# Altium PCB radxa_cm3i_io_board_v1.4.PcbDoc (part 4 of 9)
Units mil, origin at the board's own origin, x right, y up, seen from the top; angles counter-clockwise.
Board outline 7886.22 x 5511.42 mil, 4 copper layers (Top, GND, Power, Bottom), stack 35.4 mil thick; 724 components, 544 nets, 2607 pads, 3449 vias.
Unrouted connection lines stored in the file: 2847.
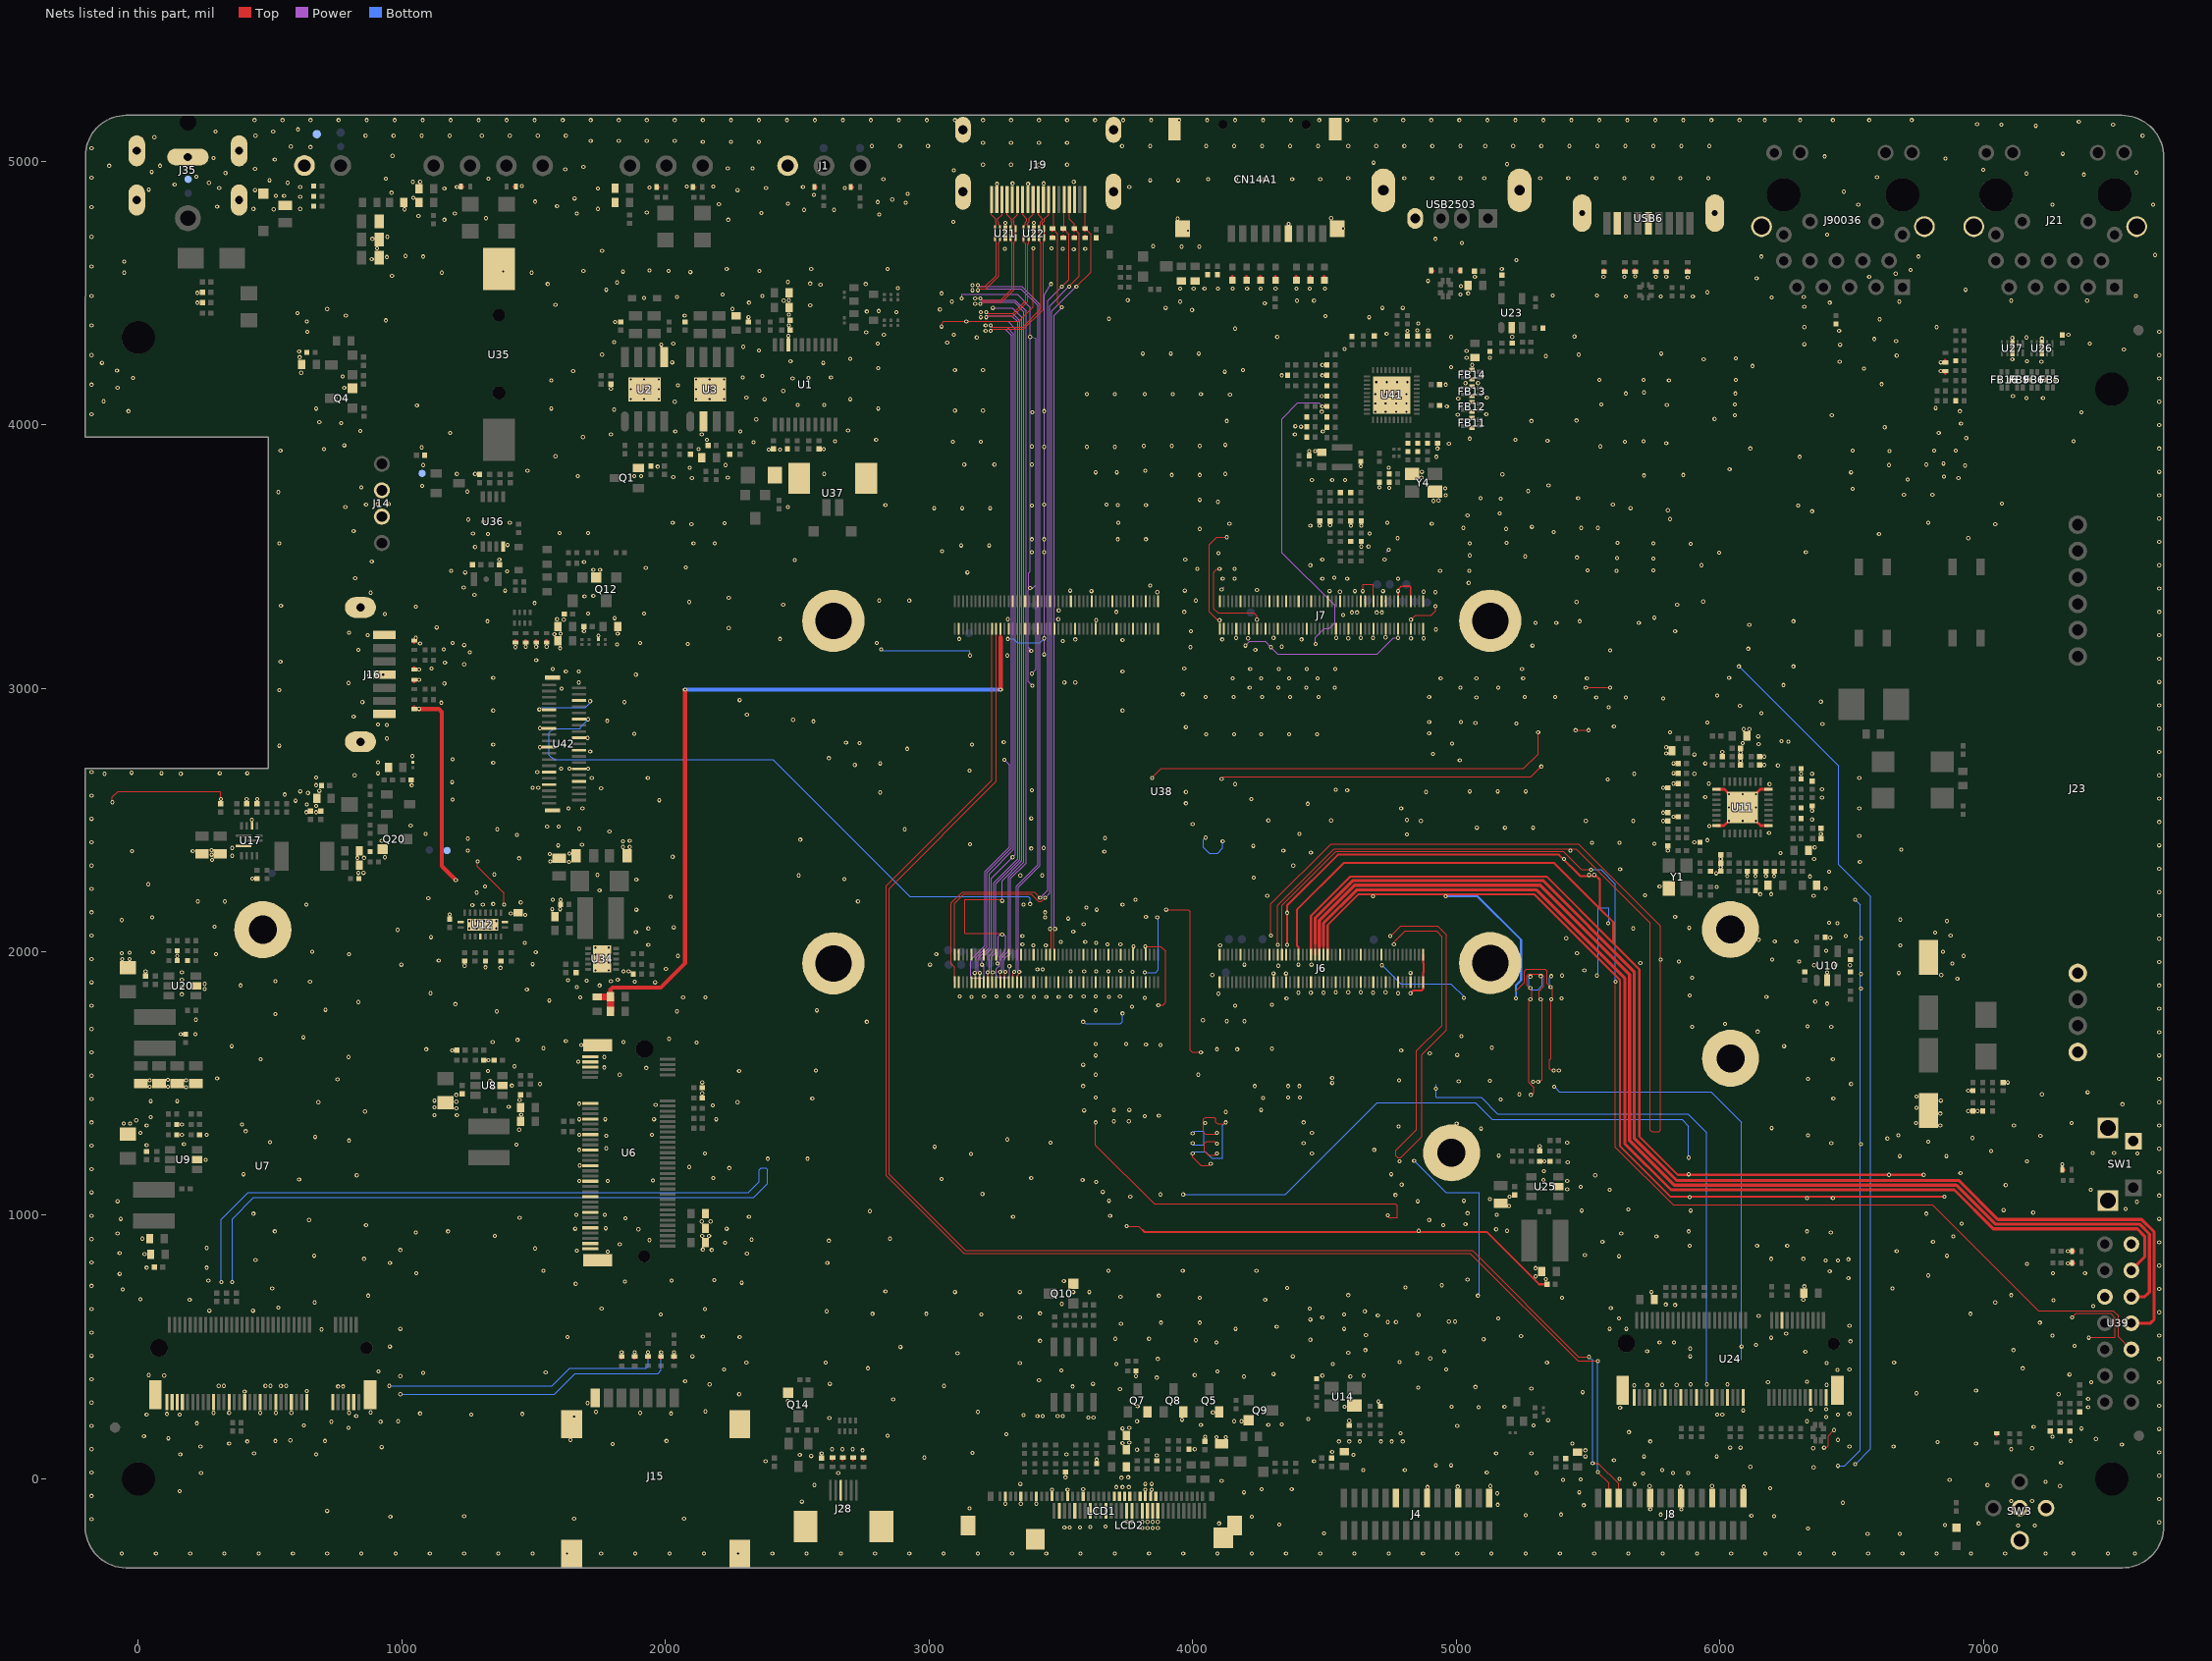
[diagram p6: the nets of this part, all layers, seen from the top]

## Via types
v1: diameter 15.75, hole 7.87, Top to Bottom, 3415 vias
v2: diameter 19.68, hole 11.81, Top to Bottom, 34 vias

## Nets (pads, with @x,y where several pads share a name; then routed paths per layer and width w, separated by ;. In a path a pad name is that pad's centre, name@x,y a point inside that pad or via, vN(x,y) a via of type N, cw(c..) or ccw(c..) an arc to the next point about the centre after c; other vN are vias at no path point) (continued)
GND: (continued)
  other v1: -62.99,-283.46 66.93,-283.46 196.85,-283.46 326.77,-283.46 456.69,-283.46 586.61,-283.46 716.54,-283.46 846.46,-283.46 976.38,-283.46 1106.3,-283.46 1236.22,-283.46 1366.14,-283.46 1496.06,-283.46 1625.98,-283.46 1755.91,-283.46 1885.83,-283.46 2015.75,-283.46 2145.67,-283.46 2275.59,-283.46 2405.51,-283.46 2535.43,-283.46 2665.35,-283.46 2795.28,-283.46 2925.2,-283.46 3055.12,-283.46 3185.04,-283.46 3314.96,-283.46 3444.88,-283.46 3574.8,-283.46 3704.72,-283.46 3834.65,-283.46 3964.57,-283.46 4094.49,-283.46 4224.41,-283.46 4354.33,-283.46 4484.25,-283.46 4614.17,-283.46 4744.09,-283.46 4874.02,-283.46 5003.94,-283.46 5133.86,-283.46 5263.78,-283.46 5393.7,-283.46 5523.62,-283.46 5653.54,-283.46 5783.46,-283.46 5913.39,-283.46 6043.31,-283.46 6173.23,-283.46 6303.15,-283.46 6433.07,-283.46 6562.99,-283.46 6692.91,-283.46 6822.83,-283.46 6952.76,-283.46 7082.68,-283.46 7236.22,-283.46 7342.52,-283.46 7472.44,-283.46 7574.8,-283.46 6561.02,-208.66 6683.07,-208.66 4498.03,-206.69 6334.65,-188.98 3809.06,-187.01 3828.74,-187.01 3848.43,-187.01 3868.11,-187.01 3513.78,-185.04 3533.46,-185.04 3572.83,-185.04 3612.2,-183.07 3669.29,-181.1 7131.89,-177.17 7194.88,-177.17 6854.33,-175.2 4328.74,-173.23 4100.39,-169.29 6982.28,-169.29 7667.32,-165.35 3750,-163.39 3769.69,-163.39 3809.06,-163.39 3828.74,-163.39 3848.43,-163.39 3868.11,-163.39 -177.17,-153.54 1653.54,-151.57 2070.87,-151.57 956.69,-143.7 4224.41,-143.7 1236.22,-141.73 6206.69,-141.73 6120.08,-139.76 5263.78,-137.8 5397.64,-135.83 5775.59,-135.83 5814.96,-135.83 716.54,-122.05 5736.22,-116.14 5854.33,-116.14 3153.54,-112.2 2675.2,-106.3 5484.25,-100.39 5157.48,-98.43 3289.37,-94.49 3348.43,-94.49 3407.48,-94.49 6466.54,-90.55 2517.72,-86.61 7106.3,-84.65 7185.04,-84.65 7667.32,-76.77 -177.17,-64.96 5155.51,-55.12 4194.88,-51.18 5466.54,-51.18 157.48,-47.24 3466.54,-41.34 3525.59,-41.34 3820.87,-41.34 3844.49,-41.34 3584.65,-39.37 4261.81,-39.37 4375.98,-39.37 6190.94,-35.43 3710.63,-31.5 3734.25,-31.5 3757.87,-31.5 4891.73,-31.5 5005.91,-29.53 5852.36,-29.53 6090.55,-29.53 5129.92,-27.56 5734.25,-27.56 5970.47,-27.56 7291.34,-27.56 2564.96,-23.62 7015.75,-23.62 3346.46,-19.69 3820.87,-19.69 3844.49,-19.69 5677.17,-19.69 7236.22,-11.81 4110.24,-7.87 5405.51,-3.94 6872.05,-3.94 5472.44,-1.97 5620.08,0 3730.32,3.94 3517.72,5.91 3755.91,5.91 7667.32,11.81 5708.66,19.69 238.19,21.65 2655.51,21.65 5305.12,21.65 5822.83,21.65 5879.92,21.65 -177.17,23.62 5116.14,23.62 4647.64,33.46 4805.12,33.46 5781.5,33.46 6356.3,43.31 6116.14,45.28 4923.23,51.18 4980.32,51.18 7295.28,61.02 2379.92,66.93 4460.63,66.93 5598.43,70.87 3635.83,72.83 2982.28,80.71 5490.16,84.65 5712.6,84.65 5988.19,84.65 2553.15,86.61 3864.17,88.58 2509.84,90.55 4610.24,90.55 159.45,92.52 675.2,92.52 3521.65,92.52 438.98,96.46 2592.52,96.46 5151.57,96.46 5285.43,96.46 3165.35,98.43 7667.32,100.39 4529.53,102.36 2748.03,108.27 5490.16,108.27 3789.37,110.24 -177.17,112.2 2631.89,112.2 2671.26,112.2 2710.63,112.2 4007.87,112.2 7106.3,112.2 6354.33,116.14 7185.04,116.14 6039.37,118.11 6078.74,118.11 923.23,120.08 236.22,122.05 6492.13,122.05 6659.45,122.05 7525.59,129.92 1799.21,131.89 344.49,133.86 5440.94,133.86 6972.44,133.86 3734.25,135.83 3759.84,137.8 6826.77,139.76 413.39,141.73 4555.12,141.73 4594.49,141.73 4633.86,141.73 4714.57,141.73 4755.91,141.73 4797.24,141.73 5736.22,141.73 519.69,143.7 708.66,143.7 2003.94,143.7 7330.71,143.7 576.77,145.67 1639.76,147.64 6448.82,147.64 7427.17,151.57 114.17,153.54 4090.55,157.48 4125.98,157.48 4047.24,159.45 7261.81,159.45 21.65,161.42 2842.52,163.39 3293.31,169.29 4789.37,173.23 5655.51,177.17 7667.32,188.98 3734.25,190.94 7372.05,190.94 797.24,192.91 3759.84,192.91 7190.94,196.85 -177.17,200.79 5003.94,200.79 627.95,202.76 5293.31,202.76 4031.5,204.72 4287.4,204.72 4338.58,206.69 222.44,210.63 732.28,216.54 919.29,216.54 986.22,218.5 3789.37,218.5 4157.48,218.5 4185.04,218.5 6330.71,218.5 4594.49,220.47 5348.43,222.44 3960.63,224.41 4438.98,226.38 2622.05,230.31 3604.33,232.28 3624.02,232.28 6403.54,234.25 1653.54,236.22 826.77,238.19 3411.42,238.19 3431.1,238.19 3488.19,238.19 3507.87,238.19 3358.27,242.13 31.5,244.09 157.48,244.09 1263.78,244.09 5990.16,244.09 6009.84,244.09 6448.82,244.09 108.27,246.06 1456.69,246.06 6492.13,246.06 1068.9,248.03 2021.65,248.03 285.43,250 344.49,250 462.6,250 521.65,250 580.71,250 799.21,250 1903.54,250 881.89,251.97 4076.77,251.97 1736.22,253.94 3185.04,253.94 2151.57,255.91 6088.58,259.84 6346.46,261.81 6403.54,263.78 5622.05,269.69 5084.65,271.65 7397.64,271.65 4576.77,273.62 4982.28,273.62 5183.07,273.62 3791.34,275.59 7667.32,277.56 1704.72,287.4 -177.17,289.37 4704.72,293.31 2464.57,295.28 2864.17,301.18 7397.64,303.15 2279.53,320.87 7285.43,320.87 6746.06,324.8 5480.32,328.74 403.54,330.71 639.76,332.68 6972.44,334.65 3724.41,340.55 5285.43,342.52 4856.3,346.46 5072.83,348.43 757.87,350.39 777.56,350.39 3545.28,350.39 305.12,352.36 324.8,352.36 482.28,352.36 501.97,352.36 541.34,352.36 561.02,352.36 3057.09,352.36 5675.2,354.33 5724.41,356.3 5781.5,356.3 5836.61,356.3 6405.51,356.3 2167.32,358.27 5889.76,358.27 6029.53,358.27 2624.02,360.24 3622.05,360.24 6183.07,366.14 7409.45,366.14 7667.32,366.14 6330.71,368.11 2074.8,370.08 3417.32,374.02 -177.17,377.95 3864.17,383.86 4194.88,387.8 4598.43,387.8 994.09,389.76 3785.43,389.76 98.43,391.73 4492.13,391.73 4649.61,391.73 39.37,393.7 4007.87,393.7 7326.77,395.67 4307.09,397.64 1080.71,401.57 1545.28,403.54 911.42,407.48 4094.49,407.48 3501.97,411.42 6446.85,413.39 2222.44,415.35 4962.6,415.35 6492.13,415.35 2767.72,419.29 7149.61,419.29 3710.63,435.04 4531.5,435.04 3344.49,438.98 6405.51,438.98 2307.09,440.94 2608.27,440.94 5344.49,440.94 6661.42,440.94 4785.43,442.91 3868.11,454.72 7667.32,454.72 4901.57,456.69 2102.36,464.57 4379.92,464.57 5887.8,464.57 -177.17,466.54 3108.27,476.38 4852.36,476.38 4590.55,478.35 1833.86,480.31 1883.07,480.31 2032.68,480.31 6324.8,482.28 4954.72,484.25 5724.41,484.25 4655.51,488.19 7114.17,488.19 5887.8,494.09 2891.73,500 954.72,501.97 7346.46,503.94 6137.8,507.87 4090.55,517.72 5771.65,517.72 5826.77,517.72 6496.06,521.65 3421.26,523.62 4011.81,525.59 4446.85,527.56 5104.33,529.53 3706.69,531.5 3834.65,531.5 6194.88,535.43 1627.95,537.4 2281.5,537.4 2141.73,539.37 5246.06,541.34 7261.81,543.31 7667.32,543.31 4657.48,545.28 6251.97,551.18 -177.17,555.12 694.88,566.93 994.09,568.9 4163.39,568.9 4574.8,568.9 5582.68,568.9 5645.67,568.9 4318.9,576.77 6492.13,580.71 3728.35,588.58 3879.92,592.52 4027.56,592.52 7214.57,592.52 4740.16,594.49 4771.65,594.49 4972.44,596.46 4996.06,596.46 4446.85,604.33 5159.45,608.27 5618.11,608.27 3344.49,612.2 4492.13,612.2 6147.64,618.11 4702.76,620.08 4858.27,622.05 1982.28,624.02 3198.82,624.02 4574.8,624.02 2785.43,625.98 2990.16,625.98 6950.79,625.98 3421.26,627.95 7667.32,631.89 2612.2,635.83 4653.54,635.83 269.69,637.8 435.04,637.8 -177.17,643.7 2149.61,643.7 1757.87,645.67 4444.88,645.67 5586.61,647.64 531.5,649.61 7417.32,655.51 5830.71,659.45 5795.28,661.42 3503.94,663.39 669.29,669.29 7045.28,669.29 7265.75,677.17 194.88,679.13 4275.59,679.13 6316.93,679.13 7.87,681.1 4027.56,687.01 5401.57,687.01 3726.38,690.94 872.05,694.88 3872.05,694.88 4590.55,696.85 7106.3,696.85 3098.43,708.66 3344.49,708.66 3547.24,708.66 3608.27,708.66 5740.16,708.66 2834.65,710.63 -59.06,718.5 7667.32,720.47 507.87,722.44 6655.51,722.44 4358.27,724.41 4807.09,726.38 6320.87,730.31 -177.17,732.28 4944.88,734.25 1659.45,740.16 2289.37,744.09 1846.46,748.03 3511.81,750 265.75,751.97 2023.62,751.97 2185.04,753.94 5043.31,755.91 5340.55,757.87 6488.19,761.81 5301.18,767.72 6791.34,771.65 -70.87,777.56 1055.12,779.53 7263.78,779.53 7385.83,779.53 6417.32,787.4 1537.4,789.37 3681.1,789.37 3962.6,789.37 4242.13,789.37 5301.18,799.21 31.5,801.18 259.84,801.18 7667.32,809.06 7165.35,814.96 7320.87,816.93 954.72,818.9 2614.17,818.9 -177.17,820.87 6401.57,828.74 6448.82,828.74 444.88,830.71 6488.19,832.68 856.3,834.65 6194.88,834.65 6316.93,834.65 5618.11,844.49 667.32,846.46 6862.2,846.46 5488.19,848.43 23.62,852.36 2309.06,854.33 -70.87,856.3 1781.5,862.2 6671.26,864.17 7320.87,864.17 1663.39,866.14 994.09,868.11 2175.2,868.11 2141.73,870.08 1505.91,874.02 259.84,875.98 5885.83,883.86 6141.73,883.86 6255.91,883.86 1826.77,889.76 2226.38,895.67 7667.32,897.64 5555.12,899.61 6809.06,899.61 2620.08,903.54 1938.98,905.51 2326.77,907.48 -177.17,909.45 15.75,911.42 2852.36,911.42 5759.84,919.29 6885.83,919.29 1352.36,921.26 2139.76,921.26 2165.35,921.26 -78.74,931.1 5625.98,931.1 1053.15,935.04 6421.26,935.04 517.72,938.98 1175.2,938.98 5881.89,938.98 6330.71,938.98 4858.27,940.94 5192.91,940.94 1897.64,946.85 5151.57,946.85 1657.48,948.82 2232.28,948.82 1773.62,950.79 864.17,962.6 4950.79,962.6 5035.43,966.54 6917.32,968.5 2137.8,976.38 2171.26,976.38 647.64,982.28 4897.64,982.28 -66.93,986.22 7667.32,986.22 1848.43,988.19 1446.85,990.16 2316.93,994.09 3318.9,994.09 -177.17,998.03 3687.01,998.03 1661.42,1001.97 1769.69,1001.97 5153.54,1001.97 437.01,1005.91 6783.46,1005.91 5043.31,1007.87 7188.98,1009.84 2775.59,1015.75 5476.38,1017.72 5889.76,1017.72 7076.77,1019.69 5653.54,1021.65 7539.37,1023.62 5200.79,1035.43 7582.68,1051.18 -78.74,1053.15 4854.33,1053.15 3683.07,1055.12 5029.53,1055.12 5127.95,1061.02 6330.71,1064.96 6429.13,1064.96 5885.83,1068.9 3763.78,1070.87 5202.76,1070.87 7667.32,1074.8 4769.69,1076.77 3877.95,1078.74 3202.76,1080.71 -177.17,1086.61 3659.45,1088.58 5582.68,1096.46 7407.48,1096.46 5421.26,1098.43 5322.83,1100.39 5472.44,1108.27 7084.65,1114.17 4793.31,1116.14 3633.86,1125.98 1673.23,1129.92 1781.5,1129.92 5421.26,1129.92 1952.76,1131.89 3582.68,1133.86 5330.71,1133.86 610.24,1135.83 3047.24,1137.8 2181.1,1141.73 3387.8,1141.73 828.74,1151.57 5527.56,1151.57 399.61,1155.51 4753.94,1155.51 5881.89,1155.51 6913.39,1159.45 7667.32,1163.39 5332.68,1167.32 -177.17,1175.2 2242.13,1179.13 2090.55,1183.07 1675.2,1188.98 7299.21,1192.91 5423.23,1200.79 4785.43,1204.72 5334.65,1204.72 7165.35,1204.72 255.91,1210.63 2387.8,1214.57 2539.37,1214.57 6683.07,1224.41 6860.24,1224.41 5161.42,1226.38 3159.45,1232.28 2149.61,1234.25 4452.76,1234.25 7584.65,1234.25 7415.35,1236.22 7496.06,1236.22 7029.53,1244.09 1673.23,1248.03 4688.98,1248.03 7667.32,1251.97 1775.59,1253.94 3021.65,1259.84 5316.93,1261.81 -177.17,1263.78 31.5,1265.75 1435.04,1267.72 173.23,1269.69 6535.43,1269.69 4421.26,1273.62 6423.23,1273.62 3460.63,1275.59 5421.26,1275.59 500,1277.56 6791.34,1279.53 799.21,1283.46 3297.24,1287.4 6635.83,1291.34 6958.66,1293.31 671.26,1297.24 1775.59,1301.18 7216.54,1301.18 6334.65,1303.15 6677.17,1303.15 165.35,1305.12 259.84,1305.12 1673.23,1305.12 1948.82,1305.12 7.87,1312.99 4452.76,1312.99 407.48,1318.9 1444.88,1324.8 5094.49,1328.74 6196.85,1330.71 4781.5,1336.61 31.5,1340.55 6836.61,1340.55 7116.14,1340.55 7667.32,1340.55 165.35,1344.49 393.7,1344.49 -55.12,1348.43 -31.5,1348.43 5001.97,1348.43 4047.24,1350.39 6744.09,1350.39 7334.65,1350.39 -177.17,1352.36 4421.26,1352.36 3700.79,1356.3 3757.87,1356.3 -7.87,1360.24 1673.23,1364.17 1771.65,1364.17 1956.69,1364.17 2192.91,1364.17 47.24,1372.05 3818.9,1375.98 3872.05,1377.95 1124.02,1379.92 1208.66,1379.92 1452.76,1381.89 6836.61,1385.83 4125.98,1391.73 860.24,1393.7 6942.91,1395.67 6978.35,1395.67 3588.58,1397.64 3700.79,1399.61 3759.84,1399.61 4259.84,1399.61 1206.69,1405.51 6746.06,1407.48 1124.02,1409.45 1405.51,1411.42 2179.13,1417.32 1962.6,1419.29 7527.56,1421.26 1673.23,1423.23 683.07,1429.13 2273.62,1429.13 7667.32,1429.13 1206.69,1431.1 47.24,1433.07 147.64,1433.07 1124.02,1435.04 6838.58,1435.04 1446.85,1437.01 5169.29,1438.98 -177.17,1440.94 2557.09,1442.91 6431.1,1442.91 4267.72,1444.88 3631.89,1446.85 4362.2,1446.85 4407.48,1446.85 6746.06,1450.79 1206.69,1456.69 5240.16,1458.66 7222.44,1458.66 2139.76,1462.6 7395.67,1466.54 6942.91,1472.44 1348.43,1484.25 181.1,1486.22 43.31,1488.19 112.2,1488.19 3584.65,1490.16 4236.22,1490.16 4362.2,1490.16 4405.51,1490.16 1417.32,1492.13 1523.62,1498.03 6498.03,1498.03 4529.53,1501.97 2139.76,1503.94 7092.52,1503.94 5291.34,1505.91 5009.84,1507.87 1334.65,1509.84 5127.95,1509.84 43.31,1511.81 181.1,1511.81 4783.46,1511.81 112.2,1513.78 755.91,1515.75 6334.65,1517.72 7667.32,1517.72 299.21,1519.69 4529.53,1521.65 -177.17,1529.53 1826.77,1533.46 3631.89,1533.46 4021.65,1533.46 1326.77,1547.24 2279.53,1547.24 2570.87,1549.21 5389.76,1549.21 1927.17,1559.06 1767.72,1561.02 1427.17,1564.96 3584.65,1570.87 1669.29,1582.68 1328.74,1588.58 464.57,1592.52 6429.13,1592.52 797.24,1600.39 1767.72,1600.39 3631.89,1606.3 7667.32,1606.3 5003.94,1608.27 4899.61,1614.17 -177.17,1618.11 1190.94,1625.98 4791.34,1625.98 1092.52,1629.92 4092.52,1629.92 4169.29,1629.92 4301.18,1631.89 1537.4,1633.86 5135.83,1635.83 354.33,1641.73 6244.09,1641.73 1681.1,1645.67 3877.95,1645.67 3822.83,1647.64 3631.89,1649.61 3748.03,1649.61 2118.11,1655.51 1344.49,1657.48 1840.55,1657.48 1622.05,1661.42 1438.98,1665.35 2013.78,1669.29 625.98,1675.2 5019.69,1679.13 161.42,1687.01 216.54,1687.01 7667.32,1694.88 6143.7,1696.85 -177.17,1706.69 5895.67,1714.57 6423.23,1714.57 6332.68,1716.54 6019.69,1726.38 2763.78,1734.25 4129.92,1736.22 4196.85,1736.22 4039.37,1740.16 218.5,1742.13 519.69,1763.78 1360.24,1773.62 2043.31,1773.62 2574.8,1777.56 3631.89,1777.56 710.63,1779.53 7667.32,1783.46 3769.69,1791.34 -177.17,1795.28 4161.42,1795.28 4301.18,1799.21 1202.76,1801.18 6407.48,1803.15 834.65,1809.06 6362.2,1811.02 1559.06,1814.96 4356.3,1822.83 5399.61,1822.83 3818.9,1824.8 1677.17,1826.77 2066.93,1826.77 2151.57,1826.77 3161.42,1828.74 3397.64,1828.74 3444.88,1828.74 3492.13,1828.74 3683.07,1828.74 6177.17,1828.74 3116.14,1830.71 3208.66,1830.71 3255.91,1830.71 3303.15,1830.71 3350.39,1830.71 3537.4,1830.71 3586.61,1830.71 3631.89,1830.71 3724.41,1830.71 5885.83,1834.65 165.35,1838.58 4098.43,1840.55 1108.27,1842.52 4779.53,1842.52 4401.57,1844.49 4448.82,1844.49 4496.06,1844.49 4685.04,1844.49 4543.31,1846.46 4590.55,1846.46 4637.8,1846.46 4732.28,1846.46 1474.41,1856.3 251.97,1858.27 6535.43,1860.24 1663.39,1866.14 165.35,1868.11 387.8,1872.05 1750,1872.05 7667.32,1872.05 251.97,1877.95 -177.17,1883.86 1960.63,1883.86 651.57,1885.83 1883.86,1885.83 519.69,1887.8 1793.31,1887.8 1700.79,1889.76 1629.92,1891.73 165.35,1893.7 1818.9,1893.7 6901.57,1897.64 5895.67,1901.57 5401.57,1909.45 4074.8,1911.42 6840.55,1911.42 6535.43,1915.35 4307.09,1917.32 4354.33,1917.32 4826.77,1919.29 6679.13,1919.29 165.35,1921.26 6407.48,1921.26 3771.65,1923.23 27.56,1925.2 1840.55,1925.2 1860.24,1925.2 3537.4,1925.2 3588.58,1925.2 3633.86,1925.2 3681.1,1925.2 3726.38,1927.17 1734.25,1929.13 1785.43,1929.13 5486.22,1929.13 3411.42,1933.07 3431.1,1933.07 2001.97,1935.04 1374.02,1938.98 1316.93,1940.94 1238.19,1946.85 4324.8,1946.85 6358.27,1948.82 6494.09,1948.82 998.03,1950.79 3003.94,1950.79 4196.85,1950.79 4401.57,1950.79 4450.79,1950.79 6440.94,1950.79 1496.06,1952.76 6881.89,1954.72 5698.82,1956.69 1734.25,1958.66 1785.43,1958.66 7667.32,1960.63 5844.49,1962.6 6301.18,1962.6 1139.76,1966.54 6198.82,1970.47 -177.17,1972.44 -61.02,1972.44 -33.46,1972.44 147.64,1984.25 2047.24,1984.25 6925.2,1984.25 1734.25,1988.19 1785.43,1988.19 295.28,1990.16 799.21,1990.16 3027.56,1990.16 -62.99,1994.09 5458.66,1994.09 -33.46,1996.06 55.12,1998.03 1507.87,1998.03 659.45,2000 6846.46,2000 6403.54,2003.94 1734.25,2015.75 1785.43,2015.75 3775.59,2019.69 3395.67,2023.62 3442.91,2023.62 4104.33,2023.62 6685.04,2023.62 1935.04,2025.59 3354.33,2027.56 3677.17,2027.56 3726.38,2027.56 1466.54,2033.46 3633.86,2033.46 3500,2037.4 3592.52,2037.4 6208.66,2039.37 6291.34,2039.37 6147.64,2045.28 7667.32,2049.21 5417.32,2051.18 6535.43,2051.18 6419.29,2053.15 1110.24,2055.12 3354.33,2059.06 6478.35,2059.06 -177.17,2061.02 6875.98,2061.02 6816.93,2072.83 1887.8,2074.8 3547.24,2076.77 984.25,2082.68 1255.91,2088.58 1283.46,2088.58 1311.02,2088.58 1334.65,2088.58 1358.27,2088.58 1935.04,2088.58 5671.26,2088.58 5883.86,2090.55 2031.5,2092.52 289.37,2094.49 3586.61,2104.33 6446.85,2108.27 6415.35,2110.24 1255.91,2116.14 1283.46,2116.14 1311.02,2116.14 1334.65,2116.14 1358.27,2116.14 6862.2,2116.14 -62.99,2120.08 6685.04,2122.05 3527.56,2125.98 53.15,2129.92 3440.94,2129.92 3822.83,2131.89 5830.71,2131.89 7667.32,2137.8 1468.5,2139.76 1181.1,2141.73 1413.39,2145.67 4358.27,2147.64 -177.17,2149.61 3440.94,2149.61 1889.76,2159.45 3635.83,2159.45 1570.87,2161.42 1600.39,2161.42 3596.46,2167.32 1267.72,2177.17 637.8,2179.13 1307.09,2179.13 3358.27,2179.13 3734.25,2179.13 1346.46,2181.1 1450.79,2187.01 226.38,2190.94 328.74,2190.94 2730.32,2190.94 1572.83,2196.85 1602.36,2196.85 3783.46,2196.85 1100.39,2202.76 2019.69,2208.66 4685.04,2210.63 4283.46,2212.6 6356.3,2212.6 5716.54,2214.57 6153.54,2218.5 6194.88,2218.5 1283.46,2224.41 7667.32,2226.38 1750,2232.28 -177.17,2238.19 6401.57,2240.16 5988.19,2246.06 1314.96,2248.03 5771.65,2248.03 37.4,2255.91 1889.76,2273.62 2679.13,2275.59 433.07,2277.56 4232.28,2281.5 6342.52,2285.43 6104.33,2287.4 6135.83,2287.4 6175.2,2287.4 6206.69,2287.4 2505.91,2289.37 3346.46,2289.37 3429.13,2289.37 1742.13,2291.34 5503.94,2291.34 5523.62,2291.34 1350.39,2293.31 5986.22,2297.24 834.65,2299.21 854.33,2299.21 6415.35,2303.15 5622.05,2312.99 7667.32,2314.96 6003.94,2320.87 -177.17,2326.77 4381.89,2326.77 1633.86,2340.55 6531.5,2340.55 1562.99,2342.52 279.53,2348.43 5409.45,2352.36 6003.94,2352.36 6358.27,2352.36 1444.88,2354.33 830.71,2356.3 856.3,2356.3 935.04,2358.27 2027.56,2360.24 356.3,2364.17 277.56,2368.11 1561.02,2370.08 1635.83,2372.05 6230.32,2374.02 4448.82,2375.98 3665.35,2379.92 -23.62,2381.89 206.69,2381.89 1250,2383.86 4344.49,2383.86 5433.07,2383.86 5803.15,2383.86 277.56,2385.83 6688.98,2387.8 3387.8,2391.73 356.3,2393.7 3435.04,2393.7 6360.24,2395.67 1838.58,2397.64 1864.17,2397.64 4230.32,2401.57 1592.52,2403.54 7667.32,2403.54 1683.07,2405.51 3155.51,2407.48 5751.97,2409.45 5515.75,2413.39 5620.08,2413.39 -177.17,2415.35 5903.54,2415.35 1838.58,2419.29 923.23,2421.26 1864.17,2421.26 5952.76,2423.23 2511.81,2425.2 1250,2429.13 3667.32,2431.1 6529.53,2438.98 1437.01,2442.91 4812.99,2444.88 1090.55,2446.85 4405.51,2446.85 6383.86,2446.85 6187.01,2450.79 1787.4,2456.69 1362.2,2464.57 2907.48,2464.57 1673.23,2466.54 5078.74,2470.47 5185.04,2470.47 5291.34,2470.47 1551.18,2474.41 1594.49,2474.41 5960.63,2476.38 1033.46,2478.35 4000,2484.25 7667.32,2492.13 4866.14,2496.06 5492.13,2496.06 5671.26,2496.06 5785.43,2496.06 6035.43,2496.06 6086.61,2496.06 4287.4,2498.03 4525.59,2498.03 431.1,2500 4812.99,2500 6350.39,2501.97 -177.17,2503.94 3387.8,2505.91 5824.8,2511.81 5785.43,2527.56 637.8,2529.53 675.2,2529.53 6350.39,2535.43 1631.89,2543.31 1685.04,2543.31 4791.34,2543.31 6529.53,2543.31 6035.43,2547.24 6137.8,2547.24 675.2,2553.15 639.76,2559.06 4437.01,2561.02 3974.41,2562.99 596.46,2572.83 1976.38,2574.8 1192.91,2576.77 411.42,2578.74 450.79,2578.74 4222.44,2578.74 7667.32,2580.71 6387.8,2584.65 5944.88,2586.61 -177.17,2592.52 555.12,2596.46 6086.61,2598.43 6137.8,2598.43 643.7,2602.36 2814.96,2604.33 3974.41,2606.3 4885.83,2606.3 614.17,2608.27 5051.18,2608.27 5157.48,2608.27 5263.78,2608.27 687.01,2610.24 3389.76,2612.2 4586.61,2612.2 4543.31,2614.17 6387.8,2616.14 1755.91,2620.08 1496.06,2622.05 1517.72,2622.05 5785.43,2622.05 675.2,2631.89 1037.4,2631.89 4161.42,2635.83 6188.98,2635.83 5824.8,2637.8 5958.66,2637.8 1190.94,2643.7 5574.8,2653.54 1720.47,2659.45 1933.07,2659.45 6529.53,2659.45 675.2,2661.42 820.87,2669.29 7667.32,2669.29 -127.95,2675.2 161.42,2675.2 5675.2,2675.2 5903.54,2675.2 6309.06,2675.2 6350.39,2675.2 88.58,2677.17 309.06,2677.17 413.39,2677.17 909.45,2677.17 5824.8,2677.17 -25.59,2679.13 -177.17,2681.1 1513.78,2681.1 3153.54,2687.01 1604.33,2694.88 1635.83,2694.88 1706.69,2694.88 6220.47,2706.69 2718.5,2708.66 6169.29,2708.66 2814.96,2714.57 5824.8,2714.57 5944.88,2714.57 1346.46,2716.54 909.45,2718.5 6078.74,2724.41 5013.78,2726.38 1192.91,2730.31 2620.08,2734.25 6169.29,2740.16 1039.37,2742.13 5903.54,2748.03 4911.42,2750 5797.24,2751.97 